# Altium PCB 0020-03_FFT2G.PcbDoc (part 9 of 16)
Units mm, origin at the board's own origin, x right, y up, seen from the top; angles counter-clockwise.
Board outline 195 x 104.5 mm, 12 copper layers (Top Layer, GND1, LVDS1, PWR1, LVDS2, PWR2, LVDS3, PWR3, SIG1, SIG2, GND2, Bottom Layer), stack 1.422 mm thick; 721 components, 650 nets, 4014 pads, 3497 vias.
Unrouted connection lines stored in the file: 78.
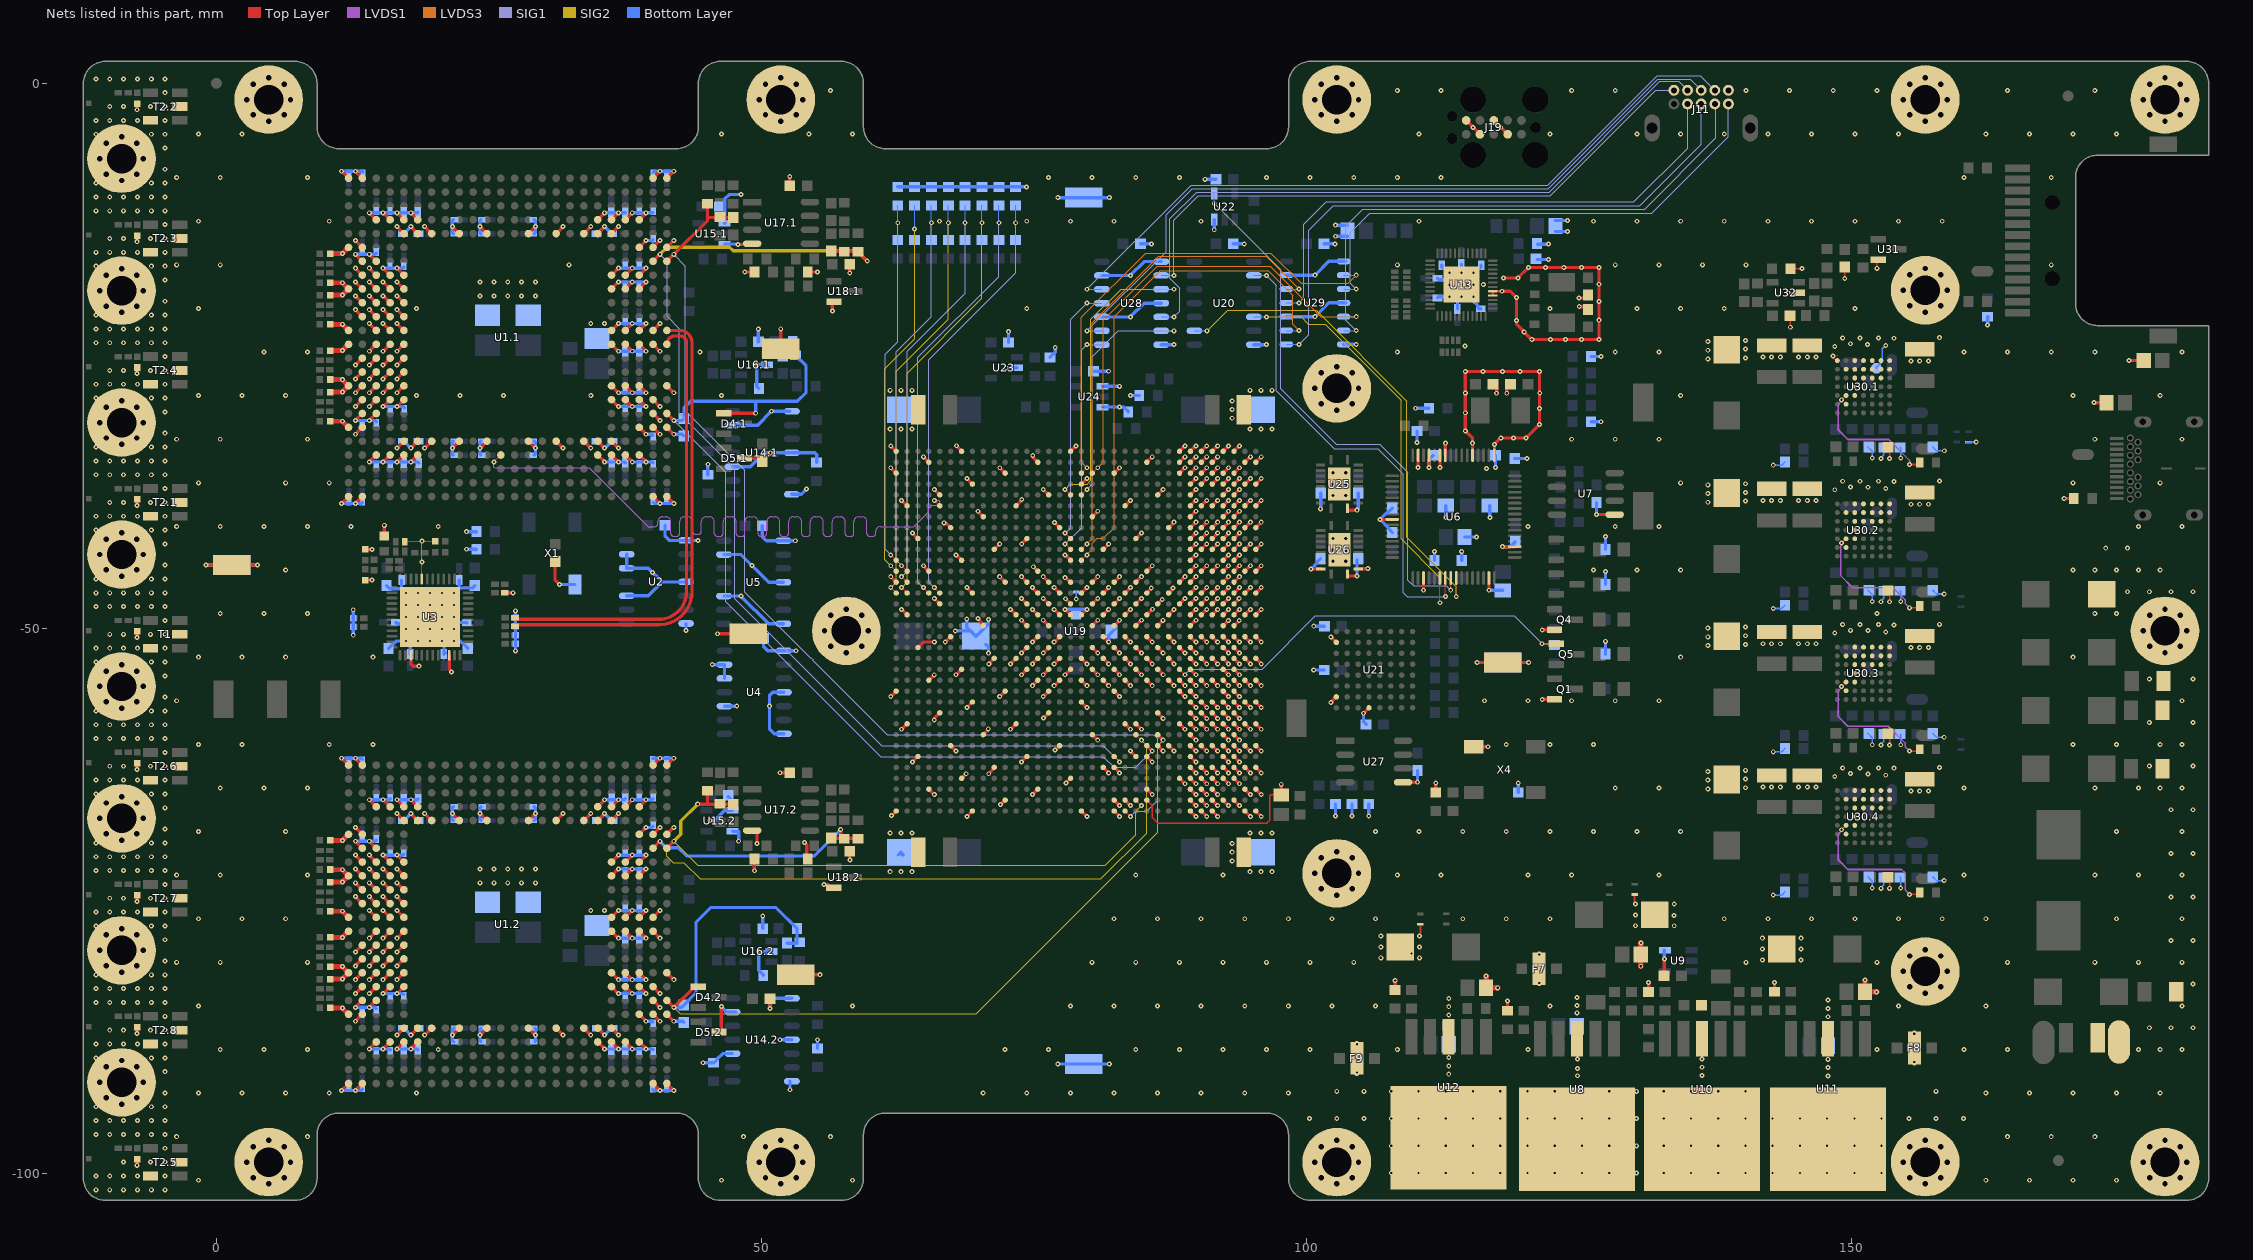
[diagram p19: the nets of this part, all layers, seen from the top]

## Via types
v1: diameter 0.45, hole 0.2, Top Layer to Bottom Layer, tented both sides, 3249 vias
v2: diameter 1, hole 0.5, Top Layer to Bottom Layer, tented both sides, 192 vias
v3: diameter 0.5, hole 0.2, Top Layer to Bottom Layer, tented both sides, 34 vias
v4: diameter 0.6, hole 0.3, Top Layer to Bottom Layer, tented both sides, 12 vias
v5: diameter 0.6, hole 0.2, Top Layer to Bottom Layer, tented both sides, 6 vias
v6: diameter 0.45/0.45/0.45/0.45/0.45/0.45/0.45 (per signal layer), hole 0.2, Top Layer to Bottom Layer, tented both sides, 4 vias

## Nets (pads, with @x,y where several pads share a name; then routed paths per layer and width w, separated by ;. In a path a pad name is that pad's centre, name@x,y a point inside that pad or via, vN(x,y) a via of type N, cw(c..) or ccw(c..) an arc to the next point about the centre after c; other vN are vias at no path point) (continued)
GND: (continued)
  Bottom Layer w0.3: v1(-0.948,-44.207) TP7.1@1.414,-44.207 v1(3.776,-44.207) ; v1(11.493,-92.418) v1(12.763,-92.418) 13.308,-92.418 C96.2.1@13.403,-92.322 ; v1(11.493,-61.938) v1(12.763,-61.938) 13.306,-61.938 C90.2.1@13.398,-62.03 ; v1(11.493,-38.562) v1(12.763,-38.562) 13.321,-38.562 C96.1.1@13.403,-38.479 ; v1(11.493,-8.082) v1(12.763,-8.082) 13.379,-8.082 C113.1.1@13.454,-8.156 ; v1(12.56,-50.648) R10.2@12.56,-49.855 R9.2@12.56,-49.11 v1(12.56,-48.317) ; v1(12.763,-84.798) v1(14.033,-84.798) 14.564,-84.798 C100.2.1@14.673,-84.906 ; v1(12.763,-69.558) v1(14.033,-69.558) 14.561,-69.558 C99.2.1@14.673,-69.446 ; v1(12.763,-30.942) v1(14.033,-30.942) 14.547,-30.942 C100.1.1@14.673,-31.067 ; v1(12.763,-15.702) v1(14.033,-15.702) 14.56,-15.702 C99.1.1@14.673,-15.589 ; v1(14.033,-88.608) v1(15.303,-88.608) 15.86,-88.608 C120.2.1@15.943,-88.691 ; v1(14.033,-65.748) v1(15.303,-65.748) 15.856,-65.748 C114.2.1@15.943,-65.661 ; v1(14.033,-34.752) v1(15.303,-34.752) C120.1.1@15.843,-34.752 ; v1(14.033,-11.892) v1(15.303,-11.892) v1(16.573,-11.892) v1(17.843,-11.892) 18.411,-11.892 C147.1.1@18.473,-11.83 ; v1(15.303,-83.528) v1(16.573,-83.528) 17.116,-83.528 C124.2.1@17.213,-83.625 ; v1(15.303,-70.828) v1(16.573,-70.828) 17.12,-70.828 C121.2.1@17.206,-70.741 ; v1(15.303,-29.672) v1(16.573,-29.672) 17.138,-29.672 C124.1.1@17.238,-29.772 ; v1(15.303,-16.972) v1(16.573,-16.972) 17.114,-16.972 C121.1.1@17.202,-16.884 ; C9.1@15.613,-46.099 15.889,-46.375 16.99,-46.375 ; C11.1@15.796,-51.887 15.796,-51.862 16.121,-51.537 16.146,-51.537 16.492,-51.191 v3(17.406,-51.191) 17.777,-51.562 C16.1@17.777,-52.387 C16.1@17.877,-52.487 ; C120.1.1@15.943,-34.852 C120.1.1@15.843,-34.752 ; C17.1@16.456,-49.473 16.579,-49.596 16.911,-49.596 v3(17.406,-50.091) ; v1(16.573,-88.608) v1(17.843,-88.608) 18.39,-88.608 C151.2.1@18.473,-88.691 ; v1(16.573,-65.748) v1(17.843,-65.748) 18.422,-65.748 C147.2.1@18.508,-65.661 ; C13.1@16.99,-45.595 16.99,-46.375 ; C154.1.1@17.119,-32.828 17.257,-32.828 17.419,-32.99 17.419,-33.058 v1(17.843,-33.482) 18.251,-33.073 18.251,-32.99 18.401,-32.84 C143.1.1@18.551,-32.84 ; C150.1.1@17.119,-13.803 17.269,-13.803 17.419,-13.653 17.419,-13.586 v1(17.843,-13.162) 18.251,-13.57 18.251,-13.653 18.401,-13.803 C140.1.1@18.551,-13.803 ; C154.2.1@17.123,-86.701 17.273,-86.701 17.423,-86.851 17.423,-86.918 v1(17.843,-87.338) 18.261,-86.919 18.261,-86.851 18.411,-86.701 C143.2.1@18.561,-86.701 ; C140.2.1@17.123,-67.651 17.273,-67.651 17.423,-67.501 17.423,-67.438 v1(17.843,-67.018) 18.263,-67.438 18.263,-67.501 18.413,-67.651 C150.2.1@18.563,-67.651 ; v3(17.406,-46.791) 16.99,-46.375 ; C151.1.1@18.561,-34.852 18.461,-34.752 v1(17.843,-34.752) v1(16.573,-34.752) C120.1.1@15.843,-34.752 ; v3(20.706,-51.191) 20.706,-51.245 20.876,-51.415 C15.1@20.876,-52.387 C15.1@20.999,-52.264 ; C136.2.1@21.723,-67.651 21.653,-67.581 v1(21.653,-67.018) 21.653,-66.451 C112.2.1@21.723,-66.381 ; C133.1.1@21.726,-34.123 21.653,-34.05 v1(21.653,-33.482) 21.653,-32.913 C109.1.1@21.726,-32.84 ; C136.1.1@21.752,-13.803 21.653,-13.704 v1(21.653,-13.162) 21.653,-12.617 C112.1.1@21.752,-12.518 ; C133.2.1@21.768,-87.971 21.653,-87.856 v1(21.653,-87.338) 21.653,-86.816 C109.2.1@21.768,-86.7 ; v3(21.806,-51.191) 22.394,-51.191 22.705,-51.502 22.73,-51.502 23.055,-51.827 C10.1@23.055,-51.852 ; v3(21.806,-48.991) 22.301,-49.486 22.958,-49.486 C14.1@22.976,-49.505 ; v3(21.806,-46.791) 22.273,-46.324 ; C18.1@22.273,-45.595 22.273,-46.324 ; v1(22.946,-42.759) R11.1@23.865,-42.759 R11.1@23.814,-42.81 ; v1(22.958,-41.15) R12.1@23.877,-41.15 ; C8.1@23.72,-46.095 23.491,-46.324 22.273,-46.324 ; C132.1.1@24.266,-34.123 24.193,-34.05 v1(24.193,-33.482) 24.193,-32.913 C108.1.1@24.266,-32.84 ; C135.1.1@24.266,-13.803 24.193,-13.73 v1(24.193,-13.162) 24.193,-12.591 C111.1.1@24.266,-12.518 ; C132.2.1@24.283,-87.971 24.193,-87.881 v1(24.193,-87.338) 24.193,-86.791 C108.2.1@24.283,-86.701 ; C135.2.1@24.283,-67.651 24.193,-67.561 v1(24.193,-67.018) 24.193,-66.471 C111.2.1@24.283,-66.381 ; v1(27.439,-52.081) 27.439,-51.451 R8.2@27.45,-51.441 R7.2@27.45,-50.641 R6.2@27.45,-49.841 R5.2@27.45,-49.041 v1(27.45,-48.411) ; C134.1.1@29.159,-13.803 29.273,-13.689 v1(29.273,-13.162) 29.273,-12.632 C110.1.1@29.159,-12.518 ; C134.2.1@29.168,-67.651 29.273,-67.545 v1(29.273,-67.018) 29.273,-66.487 C110.2.1@29.168,-66.381 ; C131.1.1@29.168,-34.123 29.273,-34.017 v1(29.273,-33.482) 29.273,-32.945 C107.1.1@29.168,-32.84 ; C131.2.1@29.233,-87.971 29.273,-87.931 v1(29.273,-87.338) 29.273,-86.741 C107.2.1@29.233,-86.701 ; v1(31.471,-45.994) X1.2@32.9,-45.994 ; C145.1.1@34.891,-32.84 35.041,-32.84 35.191,-32.99 35.191,-33.05 v1(35.623,-33.482) 36.043,-33.062 36.043,-32.99 36.193,-32.84 C152.1.1@36.343,-32.84 ; C142.1.1@34.891,-13.803 35.041,-13.803 35.191,-13.653 35.191,-13.593 v1(35.623,-13.162) 36.031,-13.57 36.031,-13.653 36.181,-13.803 C149.1.1@36.331,-13.803 ; C145.2.1@34.903,-86.701 35.053,-86.701 35.203,-86.851 35.203,-86.918 v1(35.623,-87.338) 36.043,-86.918 36.043,-86.851 36.193,-86.701 C152.2.1@36.343,-86.701 ; C142.2.1@34.903,-67.651 35.053,-67.651 35.203,-67.501 35.203,-67.438 v1(35.623,-67.018) 36.043,-67.438 36.043,-67.501 36.193,-67.651 C149.2.1@36.343,-67.651 ; v1(35.623,-88.608) v1(36.893,-88.608) v1(38.163,-88.608) v1(39.433,-88.608) 39.983,-88.608 C95.2.1@40.073,-88.697 ; v1(35.623,-65.748) v1(36.893,-65.748) 37.421,-65.748 C148.2.1@37.533,-65.636 ; v1(35.623,-34.752) v1(36.893,-34.752) 37.458,-34.752 C153.1.1@37.533,-34.826 ; v1(35.623,-11.892) v1(36.893,-11.892) 37.496,-11.892 C148.1.1@37.533,-11.855 ; v1(36.893,-83.528) v1(38.163,-83.528) v1(39.433,-83.528) ; v1(36.893,-82.258) v1(38.163,-82.258) v1(39.433,-82.258) ; v1(36.893,-78.448) v1(38.163,-78.448) v1(39.433,-78.448) ; v1(36.893,-75.908) v1(38.163,-75.908) v1(39.433,-75.908) ; v1(36.893,-72.098) v1(38.163,-72.098) v1(39.433,-72.098) ; v1(36.893,-70.828) v1(38.163,-70.828) v1(39.433,-70.828) ; v1(36.893,-29.672) v1(38.163,-29.672) v1(39.433,-29.672) ; v1(36.893,-28.402) v1(38.163,-28.402) v1(39.433,-28.402) ; v1(36.893,-24.592) v1(38.163,-24.592) v1(39.433,-24.592) ; v1(36.893,-22.052) v1(38.163,-22.052) v1(39.433,-22.052) ; v1(36.893,-18.242) v1(38.163,-18.242) v1(39.433,-18.242) ; v1(36.893,-16.972) v1(38.163,-16.972) v1(39.433,-16.972) ; U2.10@37.648,-47.034 39.623,-47.034 40.893,-45.764 ; U2.13@37.648,-43.224 U2.12@37.648,-44.494 39.623,-44.494 40.893,-45.764 ; v1(38.163,-65.748) v1(39.433,-65.748) 39.956,-65.748 C93.2.1@40.068,-65.636 ; v1(38.163,-34.752) v1(39.433,-34.752) 39.998,-34.752 C95.1.1@40.073,-34.826 ; v1(38.163,-11.892) v1(39.433,-11.892) 40.036,-11.892 C93.1.1@40.073,-11.855 ; v1(39.433,-86.068) 39.985,-86.068 C130.2.1@40.068,-86.15 ; v1(39.433,-68.288) 39.965,-68.288 C137.2.1@40.068,-68.184 ; v1(39.433,-32.212) 39.968,-32.212 40.068,-32.312 C130.1.1@39.979,-32.312 ; v1(39.433,-14.432) 40.006,-14.432 C137.1.1@40.068,-14.37 ; C94.2.1@40.048,-92.337 40.128,-92.418 v1(40.703,-92.418) v1(41.973,-92.418) ; C92.2.1@40.048,-61.97 40.08,-61.938 v1(40.703,-61.938) v1(41.973,-61.938) ; C92.1.1@40.068,-8.19 40.176,-8.082 v1(40.703,-8.082) v1(41.973,-8.082) ; C94.1.1@40.073,-38.474 40.16,-38.562 v1(40.703,-38.562) v1(41.973,-38.562) ; C21.1@41.173,-40.564 41.173,-41.561 41.566,-41.954 U2.1@42.998,-41.954 ; v1(41.973,-86.068) 42.782,-86.068 C3.2.1@42.898,-86.184 ; v1(41.973,-32.212) 42.739,-32.212 C3.1.1@42.898,-32.37 ; v1(43.098,-50.227) U2.7@43.098,-49.574 ; U2.4@43.098,-45.764 40.893,-45.764 ; U2.1@43.098,-41.954 v1(44.184,-41.954) ; v1(44.656,-89.88) R64.2.1@45.61,-89.88 45.66,-89.88 45.96,-89.58 45.96,-89.53 46.45,-89.04 U14.2.10@47.356,-89.04 ; R64.1.1@45.098,-35.932 v1(45.098,-34.964) ; v1(45.298,-67.664) 45.685,-67.664 46.629,-66.72 U15.2.1@47.365,-66.72 47.365,-65.87 C2.2.2@46.965,-65.47 ; v1(45.502,-53.349) U4.13@46.623,-53.349 U4.12@46.623,-54.619 ; v1(46.337,-84.72) 46.847,-85.23 U14.2.13@47.681,-85.23 ; U5.10@46.573,-47.059 v1(48.124,-47.059) 50.664,-49.599 U5.7@52.023,-49.599 U5.7@51.977,-49.645 ; U5.13@46.573,-43.249 48.139,-43.249 50.679,-45.789 U5.4@52.023,-45.789 ; U4.10@46.623,-57.159 v1(47.744,-57.159) ; U15.1.3@46.645,-14.764 47.848,-14.764 v1(47.873,-14.789) ; U15.1.1@46.645,-12.864 46.645,-10.617 47.048,-10.214 v1(48.123,-10.214) ; U14.1.10@47.356,-35.184 48.998,-35.184 50.268,-33.914 v1(50.848,-33.914) U14.1.4@52.631,-33.914 ; U14.1.13@47.356,-31.374 49.662,-31.374 v1(50.932,-30.104) U14.1.1@52.631,-30.104 ; U15.2.3@47.365,-68.62 47.414,-68.669 47.923,-68.669 v1(47.923,-69.553) ; v1(49.725,-22.546) 49.725,-23.707 C5.1.1@49.731,-23.714 ; R68.1.1@49.781,-28.014 49.592,-27.825 v1(49.592,-25.814) U16.1.2@50.531,-25.814 ; C36.1@50.089,-40.611 50.089,-41.599 50.469,-41.979 v1(53.122,-41.979) ; C5.2.1@50.131,-77.57 v1(50.131,-76.426) ; R68.2.1@50.181,-81.87 50.181,-81.82 49.773,-81.412 v1(49.773,-79.664) 49.779,-79.67 U16.2.2@50.931,-79.67 ; C28.1@50.272,-50.975 C28.1@50.21,-50.912 50.21,-51.702 50.586,-52.079 U4.1@52.073,-52.079 v1(53.179,-52.079) ; v1(50.792,-84.898) 50.792,-84.404 51.236,-83.96 U14.2.1@52.806,-83.96 ; v1(51.704,-87.77) U14.2.4@52.806,-87.77 ; U4.7@52.073,-59.699 51.171,-59.699 50.756,-59.284 v1(50.756,-57.161) 50.756,-56.166 51.033,-55.889 U4.4@52.073,-55.889 ; v1(52.631,-92.356) U14.2.7@52.631,-91.58 ; U14.1.7@52.806,-37.724 52.81,-37.72 53.688,-37.72 54.145,-37.263 v1(54.145,-37.247) ; U14.1.4@52.806,-33.914 54.904,-33.914 55.08,-34.089 R62.1.1@55.08,-34.81 ; R62.2.1@55.148,-88.569 v1(55.148,-87.768) ; R99.1@62.522,-9.509 R98.1@64.068,-9.509 R97.1@65.614,-9.509 R96.1@67.16,-9.509 R95.1@68.705,-9.509 R94.1@70.251,-9.509 R93.1@71.797,-9.509 R92.1@73.343,-9.509 v1(74.332,-9.509) ; C170.2@62.552,-70.816 62.797,-70.572 C170.2@62.934,-70.709 ; C170.2@62.934,-70.816 C170.2@62.934,-70.709 ; C170.2@63.041,-70.816 C170.2@62.934,-70.709 ; v1(67.8,-50.25) 69.2,-50.25 C173.2@69.7,-50.75 ; v1@68.85,-49.25 v1(68.85,-49.175) ; v1@68.851,-49.251 68.851,-49.926 C173.2@69.675,-50.75 ; C173.2@69.875,-50.549 C173.2@69.675,-50.75 ; C173.2@70.6,-51.5 70.85,-51.75 v1(70.85,-52.3) ; v1(70.85,-49.2) 70.85,-49.575 70.8,-49.625 70.8,-49.675 69.725,-50.75 C173.2@69.675,-50.75 ; v1(72.478,-26.114) U23.2@73.467,-26.114 ; C167.1@72.687,-23.785 v1(72.687,-22.798) ; R118.1@76.487,-25.166 76.969,-24.684 v1(76.969,-24.238) ; v1(77.208,-90) TP8.1@79.57,-90 v1(81.932,-90) ; v1(77.208,-10.5) TP9.1@79.57,-10.5 v1(81.932,-10.5) ; v1(77.875,-48.28) v1(79.875,-48.28) ; C168.2@80.475,-26.427 v1(81.875,-26.427) ; U28.10@81.247,-21.448 v1(83.875,-21.448) 85.145,-20.178 U28.4@86.697,-20.178 ; U28.13@81.247,-17.638 v1(83.875,-17.638) 85.145,-16.368 U28.1@86.697,-16.368 ; U24.3@81.299,-29.713 v1(82.875,-29.713) 82.904,-29.742 83.247,-29.742 83.324,-29.819 83.374,-29.819 83.674,-30.119 R113.1@83.674,-30.169 ; U24.1@81.299,-27.813 v1(82.875,-27.813) ; v1(81.875,-51.28) 81.875,-50.66 82.532,-50.003 82.532,-49.622 v1(82.875,-49.28) ; v1(83.875,-28.653) R117.1@84.681,-28.653 ; C181.2@84.798,-14.74 v1(85.801,-14.74) ; U28.7@86.697,-23.988 v1(87.856,-23.988) ; v1(90.704,-8.818) C163.2@91.708,-8.818 ; v1(91.558,-13.447) U22.3@91.558,-12.518 ; C161.2@93.307,-14.74 v1(94.31,-14.74) ; U20.7@95.194,-23.989 v1(96.352,-23.989) ; U29.10@98.18,-21.424 v1(100.808,-21.424) 102.078,-20.154 U29.4@103.63,-20.154 ; U29.13@98.18,-17.614 v1(100.808,-17.614) 102.078,-16.344 U29.1@103.63,-16.344 ; v1(100.446,-44.578) 100.987,-44.038 100.987,-43.944 C177.1@101.312,-43.619 ; v1(100.685,-53.837) C164.2@101.66,-53.837 ; v1(100.69,-49.823) C166.2@101.664,-49.822 ; v1(101.325,-39.051) C179.1@101.325,-37.594 ; C182.2@101.63,-14.74 v1(102.633,-14.74) ; v1(102.674,-14.041) C72.1@103.794,-14.041 ; v1(102.674,-13.025) C72.1@103.794,-13.025 ; v1(102.683,-67.245) R127.1@102.683,-66.151 ; U29.7@103.43,-23.964 v1(104.588,-23.964) ; v1(104.211,-67.245) R126.1@104.211,-66.151 ; v1(104.649,-39.177) 104.649,-39.137 104.764,-39.022 C176.2@104.764,-37.594 ; v1(104.659,-45.21) C178.2@104.659,-43.715 ; v1(105.26,-57.812) 105.26,-58.6 C165.2@105.499,-58.839 ; v1(105.738,-67.245) R125.1@105.738,-66.151 ; C37.2@107.89,-38.979 107.89,-39.004 107.565,-39.329 107.465,-39.329 v1(106.769,-40.025) 107.566,-40.823 107.566,-40.9 C38.2@107.891,-41.225 ; v1(110.042,-29.825) R25.1@111.275,-29.825 ; v1(110.173,-32.954) C42.2@110.173,-31.913 ; v1(110.207,-64.146) C180.1@110.207,-63.066 ; v1(111.266,-35.273) 111.266,-34.55 111.316,-34.5 111.316,-34.475 111.641,-34.15 C49.1@111.666,-34.15 ; C44.2@111.766,-43.8 v1(111.766,-42.973) ; C73.2@112.044,-19.709 112.167,-19.586 v3(113.146,-19.586) ; C75.2@112.044,-17.886 112.186,-18.028 112.688,-18.028 v3(113.146,-18.486) ; C78.2@112.446,-16.711 112.446,-16.861 112.596,-17.011 112.771,-17.011 v3(113.146,-17.386) v3@113.121,-17.386 ; v1(112.814,-39.863) C48.1@112.814,-38.744 ; C76.2@113.875,-20.713 113.875,-19.957 v3(114.246,-19.586) ; v3(114.246,-17.386) C80.2@114.246,-16.585 ; C39.2@114.266,-43.8 v1(114.266,-42.973) ; C41.1@114.514,-41.635 v1(115.634,-41.635) ; v3(115.346,-19.586) 115.346,-20.011 115.721,-20.386 115.721,-20.536 115.871,-20.686 C77.2@116.021,-20.686 ; v3(115.346,-17.386) 115.371,-17.386 115.746,-17.011 115.896,-17.011 116.046,-16.861 C79.2@116.046,-16.711 ; v1(115.689,-53.148) v1(120.413,-53.148) ; v1(116.766,-46.523) 118.006,-46.523 C45.1@118.026,-46.542 ; v1(116.853,-39.863) C46.1@116.853,-38.744 ; v1(117.366,-35.273) C47.1@117.366,-34.15 ; v1(118.019,-42.525) 118.688,-42.525 118.817,-42.396 118.842,-42.396 119.167,-42.071 C40.2@119.167,-42.046 ; C43.2@119.141,-34.425 v1(120.264,-34.425) ; C162.2@119.459,-65.087 v1(119.459,-64.197) ; C81.2@121.2,-16.175 v1(122.228,-16.175) ; R57.1@121.249,-14.765 v1(122.241,-14.765) ; C74.1@122.859,-13.608 v1(123.978,-13.608) ; C74.1@122.859,-12.592 v1(123.978,-12.592) ; R56.1@126.125,-31.065 v1(127.041,-31.065) ; R51.2@126.125,-25.084 v1(127.041,-25.084) ; v1(126.632,-39.584) C50.1@126.632,-38.479 ; R119.1@127.456,-52.389 v1(127.456,-51.211) ; R28.1@127.456,-45.994 v1(127.456,-44.816) ; R29.1@127.456,-42.775 v1(127.456,-41.598) ; v1(132.863,-80.374) U9.5@132.863,-79.568 ; v1(162.525,-22.2) 162.525,-21.431 162.528,-21.428 R3.1@162.525,-21.425
  other v1: -11.05,-101.538 -9.78,-101.538 -8.51,-101.538 -7.24,-101.538 -5.97,-101.538 -4.7,-101.538 -1.641,-100.665 46.359,-100.665 58.359,-100.665 162.359,-100.665 166.359,-100.665 170.359,-100.665 174.359,-100.665 -11.05,-100.268 -9.78,-100.268 -8.51,-100.268 -7.24,-100.268 -4.7,-100.268 107.8,-100 110.3,-100 112.8,-100 115.3,-100 117.8,-100 120.3,-100 122.8,-100 125.3,-100 127.8,-100 130.3,-100 132.8,-100 135.3,-100 137.8,-100 140.3,-100 142.8,-100 145.3,-100 147.8,-100 150.3,-100 152.8,-100 -8.51,-98.998 -6.034,-98.997 -4.7,-98.998 -4.7,-97.728 107.8,-97.5 110.3,-97.5 112.8,-97.5 115.3,-97.5 117.8,-97.5 120.3,-97.5 122.8,-97.5 125.3,-97.5 127.8,-97.5 130.3,-97.5 132.8,-97.5 135.3,-97.5 137.8,-97.5 140.3,-97.5 142.8,-97.5 145.3,-97.5 147.8,-97.5 150.3,-97.5 152.8,-97.5 -3.641,-96.665 8.359,-96.665 48.359,-96.665 56.359,-96.665 164.359,-96.665 168.359,-96.665 172.359,-96.665 -11.05,-96.458 -9.78,-96.458 -8.51,-96.458 -7.24,-96.458 -5.97,-96.458 -4.7,-96.458 -11.05,-95.188 -9.78,-95.188 -8.51,-95.188 -7.24,-95.188 -5.97,-95.188 -4.7,-95.188 100.3,-95 102.8,-95 105.3,-95 107.8,-95 110.3,-95 112.8,-95 115.3,-95 117.8,-95 120.3,-95 122.8,-95 125.3,-95 127.8,-95 130.3,-95 132.8,-95 135.3,-95 137.8,-95 140.3,-95 142.8,-95 145.3,-95 147.8,-95 150.3,-95 152.8,-95 155.3,-95 157.8,-95 160.3,-95 -11.05,-93.918 -5.97,-93.918 -4.7,-93.918 -4.7,-92.648 -1.641,-92.665 2.359,-92.665 6.359,-92.665 10.359,-92.665 18.359,-92.665 70.359,-92.665 74.359,-92.665 78.359,-92.665 82.359,-92.665 86.359,-92.665 90.359,-92.665 94.359,-92.665 98.359,-92.665 162.359,-92.665 166.359,-92.665 170.359,-92.665 174.359,-92.665 178.359,-92.665 102.8,-92.5 105.3,-92.5 107.8,-92.5 110.3,-92.5 112.8,-92.5 115.3,-92.5 117.8,-92.5 120.3,-92.5 122.8,-92.5 125.3,-92.5 127.8,-92.5 130.3,-92.5 132.8,-92.5 135.3,-92.5 137.8,-92.5 140.3,-92.5 157.8,-92.5 124.903,-91.074 147.864,-91.088 136.328,-91.052 113.075,-90.928 -4.7,-90.701 124.903,-90.412 147.864,-90.326 136.328,-90.29 113.075,-90.166 124.903,-89.55 147.864,-89.564 136.328,-89.528 -11.05,-89.431 -5.97,-89.431 -4.7,-89.431 113.075,-89.404 0.359,-88.665 4.359,-88.665 8.359,-88.665 20.359,-88.665 72.359,-88.665 76.359,-88.665 84.359,-88.665 88.359,-88.665 92.359,-88.665 96.359,-88.665 100.359,-88.665 108.359,-88.665 120.359,-88.665 152.359,-88.665 160.359,-88.665 164.359,-88.665 176.359,-88.665 178.359,-88.665 180.359,-88.665 -11.05,-88.161 -9.78,-88.161 -8.51,-88.161 -7.24,-88.161 -4.7,-88.161 -9.78,-86.891 -8.51,-86.891 -6.034,-86.89 -4.7,-86.891 177.359,-86.665 179.359,-86.665 181.359,-86.665 147.864,-85.655 -4.7,-85.621 113.075,-85.495 124.85,-85.296 147.864,-84.893 -1.641,-84.665 58.359,-84.665 78.359,-84.665 82.359,-84.665 86.359,-84.665 90.359,-84.665 94.359,-84.665 98.359,-84.665 102.359,-84.665 106.359,-84.665 122.359,-84.665 154.359,-84.665 162.359,-84.665 180.359,-84.665 124.85,-84.634 -11.05,-84.351 -9.78,-84.351 -8.51,-84.351 -7.24,-84.351 -5.97,-84.351 -4.7,-84.351 147.864,-84.131 124.85,-83.897 -11.05,-83.081 -9.78,-83.081 -8.51,-83.081 -7.24,-83.081 -5.97,-83.081 -4.7,-83.081 181.359,-82.665 -11.05,-81.811 -5.97,-81.811 -4.7,-81.811 -3.641,-80.665 0.359,-80.665 8.359,-80.665 80.359,-80.665 84.359,-80.665 88.359,-80.665 92.359,-80.665 96.359,-80.665 100.359,-80.665 104.359,-80.665 140.359,-80.665 152.359,-80.665 164.359,-80.665 172.359,-80.665 176.359,-80.665 180.359,-80.665 -4.7,-80.541 141.85,-80.45 145.406,-80.45 106.847,-80.25 110.402,-80.25 109.675,-79.846 141.85,-79.45 145.406,-79.45 106.847,-79.25 110.402,-79.25 179.359,-78.665 181.359,-78.665 -4.7,-78.594 141.85,-78.45 145.406,-78.45 106.847,-78.25 110.402,-78.25 -11.05,-77.324 -5.97,-77.324 -4.7,-77.324 130.211,-77.309 133.767,-77.309 -1.641,-76.665 2.359,-76.665 6.359,-76.665 82.359,-76.665 86.359,-76.665 90.359,-76.665 94.359,-76.665 98.359,-76.665 102.359,-76.665 106.359,-76.665 114.359,-76.665 118.359,-76.665 122.359,-76.665 138.359,-76.665 142.359,-76.665 146.359,-76.665 150.359,-76.665 154.359,-76.665 158.359,-76.665 162.359,-76.665 174.359,-76.665 180.359,-76.665 133.757,-76.374 130.211,-76.309 -11.05,-76.054 -9.78,-76.054 -8.51,-76.054 -7.24,-76.054 -4.7,-76.054 34.353,-75.908 35.623,-75.908 133.767,-75.309 -9.78,-74.784 -8.51,-74.784 -6.034,-74.783 -4.7,-74.784 179.359,-74.665 181.359,-74.665 -4.7,-73.514 24.193,-73.368 25.463,-73.368 26.733,-73.368 28.003,-73.368 29.273,-73.368 -3.641,-72.665 0.359,-72.665 8.359,-72.665 84.359,-72.665 92.359,-72.665 108.359,-72.665 112.359,-72.665 120.359,-72.665 124.359,-72.665 132.359,-72.665 160.359,-72.665 172.359,-72.665 176.359,-72.665 180.359,-72.665 61.826,-72.349 62.826,-72.349 63.826,-72.349 94.849,-72.349 95.849,-72.349 96.849,-72.349 -11.05,-72.244 -9.78,-72.244 -8.51,-72.244 -7.24,-72.244 -5.97,-72.244 -4.7,-72.244 24.193,-72.098 25.463,-72.098 26.733,-72.098 28.003,-72.098 29.273,-72.098 93.205,-71.359 -11.05,-70.974 -9.78,-70.974 -8.51,-70.974 -7.24,-70.974 -5.97,-70.974 -4.7,-70.974 179.359,-70.665 181.359,-70.665 93.205,-70.559 93.205,-69.759 -11.05,-69.704 -5.97,-69.704 -4.7,-69.704 61.826,-68.794 62.826,-68.794 63.826,-68.794 94.849,-68.794 95.849,-68.794 96.849,-68.794 -1.641,-68.665 6.359,-68.665 106.359,-68.665 110.359,-68.665 114.359,-68.665 118.359,-68.665 122.359,-68.665 126.359,-68.665 130.359,-68.665 134.359,-68.665 174.359,-68.665 180.359,-68.665 -4.7,-68.434 179.359,-66.665 181.359,-66.665 -4.7,-66.487 -11.05,-65.217 -5.97,-65.217 -4.7,-65.217 155.491,-64.935 156.291,-64.935 157.091,-64.935 136.85,-64.748 0.359,-64.665 4.359,-64.665 8.359,-64.665 128.359,-64.665 132.359,-64.665 160.359,-64.665 172.359,-64.665 176.359,-64.665 178.359,-64.665 180.359,-64.665 140.3,-64.648 141.902,-64.579 142.702,-64.579 143.502,-64.579 145.178,-64.579 145.978,-64.579 146.778,-64.579 -11.05,-63.947 -9.78,-63.947 -8.51,-63.947 -7.24,-63.947 -4.7,-63.947 136.85,-63.947 140.3,-63.847 148.5,-63.6 153.175,-63.5 68.798,-63.364 151.55,-63.375 149.95,-63.35 136.85,-63.147 140.3,-63.047 153.925,-62.85 149.225,-62.825 150.8,-62.825 152.5,-62.825 158.1,-62.797 -9.78,-62.677 -8.51,-62.677 -6.034,-62.676 -4.7,-62.677 177.359,-62.665 181.359,-62.665 -4.7,-61.407 -1.641,-60.665 2.359,-60.665 10.359,-60.665 14.359,-60.665 118.359,-60.665 122.359,-60.665 126.359,-60.665 170.359,-60.665 174.359,-60.665 178.359,-60.665 180.359,-60.665 -11.05,-60.137 -9.78,-60.137 -8.51,-60.137 -7.24,-60.137 -5.97,-60.137 -4.7,-60.137 70.823,-59.239 -11.05,-58.867 -9.78,-58.867 -8.51,-58.867 -7.24,-58.867 -5.97,-58.867 -4.7,-58.867 177.359,-58.665 181.359,-58.665 -11.05,-57.597 -5.97,-57.597 -4.7,-57.597 -3.641,-56.665 116.359,-56.665 120.359,-56.665 124.359,-56.665 128.359,-56.665 132.359,-56.665 180.359,-56.665 -4.7,-56.327 177.359,-54.665 181.359,-54.665 -4.7,-54.38 -11.05,-53.11 -5.97,-53.11 -4.7,-53.11 -1.641,-52.665 2.359,-52.665 6.359,-52.665 14.359,-52.665 134.359,-52.665 170.359,-52.665 -11.05,-51.84 -9.78,-51.84 -8.51,-51.84 -7.24,-51.84 -4.7,-51.84 155.491,-51.785 156.291,-51.785 157.091,-51.785 136.85,-51.598 140.3,-51.498 141.902,-51.43 142.702,-51.43 143.502,-51.43 145.178,-51.43 145.978,-51.43 146.778,-51.43 136.85,-50.798 140.3,-50.698 -9.78,-50.57 -8.51,-50.57 -6.034,-50.569 -4.7,-50.57 148.5,-50.451 153.175,-50.351 151.55,-50.226 149.95,-50.201 136.85,-49.998 140.3,-49.898 153.925,-49.701 149.225,-49.676 150.8,-49.676 152.5,-49.676 158.1,-49.648 -4.7,-49.3 69.879,-49.122 0.359,-48.665 4.359,-48.665 8.359,-48.665 152.359,-48.665 172.359,-48.665 174.359,-48.665 -11.05,-48.03 -9.78,-48.03 -8.51,-48.03 -7.24,-48.03 -5.97,-48.03 -4.7,-48.03 -11.05,-46.76 -9.78,-46.76 -8.51,-46.76 -7.24,-46.76 -5.97,-46.76 -4.7,-46.76 175.359,-46.665 177.359,-46.665 179.359,-46.665 181.359,-46.665 -11.05,-45.49 -5.97,-45.49 -4.7,-45.49 40.022,-44.893 6.359,-44.665 126.359,-44.665 130.359,-44.665 134.359,-44.665 170.359,-44.665 172.359,-44.665 174.359,-44.665 176.359,-44.665 178.359,-44.665 105.653,-44.541 49.141,-44.251 -4.7,-44.22 173.359,-42.665 175.359,-42.665 -4.7,-42.273 -11.05,-41.003 -5.97,-41.003 -4.7,-41.003 -3.641,-40.665 0.359,-40.665 4.359,-40.665 8.359,-40.665 12.359,-40.665 20.359,-40.665 120.359,-40.665 128.359,-40.665 132.359,-40.665 176.359,-40.665 180.359,-40.665 -11.05,-39.733 -9.78,-39.733 -8.51,-39.733 -7.24,-39.733 -4.7,-39.733 155.491,-38.636 156.291,-38.636 157.091,-38.636 -9.78,-38.463 -8.51,-38.463 -6.034,-38.463 -4.7,-38.463 136.85,-38.449 140.3,-38.349 141.902,-38.281 142.702,-38.281 143.502,-38.281 145.178,-38.281 145.978,-38.281 146.778,-38.281 136.85,-37.649 140.3,-37.549 148.5,-37.301 153.175,-37.201 -4.7,-37.193 151.55,-37.076 149.95,-37.051 136.85,-36.849 140.3,-36.749 -1.641,-36.665 6.359,-36.665 10.359,-36.665 134.359,-36.665 170.359,-36.665 178.359,-36.665 153.925,-36.551 149.225,-36.526 150.8,-36.526 152.5,-36.526 158.1,-36.499 -11.05,-35.923 -9.78,-35.923 -8.51,-35.923 -7.24,-35.923 -5.97,-35.923 -4.7,-35.923 116.55,-35.35 -11.05,-34.653 -9.78,-34.653 -8.51,-34.653 -7.24,-34.653 -5.97,-34.653 -4.7,-34.653 -11.05,-33.383 -5.97,-33.383 -4.7,-33.383 161.475,-32.933 -3.641,-32.665 0.359,-32.665 8.359,-32.665 124.359,-32.665 128.359,-32.665 132.359,-32.665 172.359,-32.665 180.359,-32.665 119.016,-32.55 -4.7,-32.113 61.826,-31.735 62.826,-31.735 63.826,-31.735 94.849,-31.735 95.849,-31.735 96.849,-31.735 93.205,-30.745 114.6,-30.233 -4.7,-30.165 93.205,-29.945 121.4,-29.835 93.205,-29.144 -11.05,-28.895 -5.97,-28.895 -4.7,-28.895 -1.641,-28.665 2.359,-28.665 6.359,-28.665 18.359,-28.665 22.359,-28.665 26.359,-28.665 34.359,-28.665 46.359,-28.665 134.359,-28.665 170.359,-28.665 178.359,-28.665 114.6,-28.431 121.425,-28.425 61.826,-28.18 62.826,-28.18 63.826,-28.18 95.849,-28.18 96.849,-28.18 -11.05,-27.625 -9.78,-27.625 -8.51,-27.625 -7.24,-27.625 -4.7,-27.625 116.236,-26.45 118,-26.45 119.621,-26.45 -9.78,-26.355 -8.51,-26.355 -6.034,-26.355 -4.7,-26.355 155.491,-25.487 156.291,-25.487 157.091,-25.487 136.85,-25.3 140.3,-25.2 141.902,-25.131 142.702,-25.131 143.502,-25.131 145.178,-25.131 145.978,-25.131 146.778,-25.131 -4.7,-25.085 4.359,-24.665 8.359,-24.665 44.359,-24.665 108.359,-24.665 128.359,-24.665 132.359,-24.665 160.359,-24.665 164.359,-24.665 168.359,-24.665 172.359,-24.665 180.359,-24.665 136.85,-24.5 140.3,-24.4 148.5,-24.152 114.583,-24.107 151.5,-23.977 149.95,-23.902 -11.05,-23.815 -9.78,-23.815 -8.51,-23.815 -7.24,-23.815 -5.97,-23.815 -4.7,-23.815 136.85,-23.7 140.3,-23.6 122.42,-23.525 123.787,-23.525 125.253,-23.525 153.925,-23.402 149.225,-23.377 150.8,-23.377 152.5,-23.377 158.1,-23.35 120,-22.825 -11.05,-22.545 -9.78,-22.545 -8.51,-22.545 -7.24,-22.545 -5.97,-22.545 -4.7,-22.545 34.353,-22.052 35.623,-22.052 119.3,-21.775 126.875,-21.742 -11.05,-21.275 -5.97,-21.275 -4.7,-21.275 -1.641,-20.665 18.359,-20.665 74.359,-20.665 122.359,-20.665 130.359,-20.665 134.359,-20.665 138.359,-20.665 150.359,-20.665 126.875,-20.037 -4.7,-20.005 24.193,-19.512 25.463,-19.512 26.733,-19.512 28.003,-19.512 29.273,-19.512 116.25,-18.475 126.875,-18.45 24.193,-18.242 25.463,-18.242 26.733,-18.242 28.003,-18.242 29.273,-18.242 -4.7,-18.058 121.95,-16.9 123.637,-16.9 125.262,-16.9 -11.05,-16.788 -5.97,-16.788 -4.7,-16.788 -3.641,-16.665 0.359,-16.665 32.359,-16.665 108.359,-16.665 128.359,-16.665 132.359,-16.665 136.359,-16.665 140.359,-16.665 168.359,-16.665 -11.05,-15.518 -9.78,-15.518 -8.51,-15.518 -7.24,-15.518 -4.7,-15.518 -9.78,-14.248 -8.51,-14.248 -6.034,-14.248 -4.7,-14.248 -4.7,-12.978 -1.641,-12.665 10.359,-12.665 66.359,-12.665 74.359,-12.665 78.359,-12.665 82.359,-12.665 90.359,-12.665 110.359,-12.665 126.359,-12.665 130.359,-12.665 134.359,-12.665 138.359,-12.665 142.359,-12.665 146.359,-12.665 150.359,-12.665 154.359,-12.665 158.359,-12.665 -11.05,-11.708 -9.78,-11.708 -8.51,-11.708 -7.24,-11.708 -5.97,-11.708 -4.7,-11.708 -11.05,-10.438 -9.78,-10.438 -8.51,-10.438 -7.24,-10.438 -5.97,-10.438 -4.7,-10.438 -11.05,-9.168 -5.97,-9.168 -4.7,-9.168 -3.641,-8.665 0.359,-8.665 8.359,-8.665 76.359,-8.665 80.359,-8.665 84.359,-8.665 88.359,-8.665 96.359,-8.665 100.359,-8.665 104.359,-8.665 108.359,-8.665 112.359,-8.665 160.359,-8.665 168.359,-8.665 -4.7,-7.898 -4.7,-5.95 -11.05,-4.68 -5.97,-4.68 -4.7,-4.68 -1.641,-4.665 2.359,-4.665 46.359,-4.665 54.359,-4.665 58.359,-4.665 110.359,-4.665 122.359,-4.665 130.359,-4.665 134.359,-4.665 138.359,-4.665 142.359,-4.665 146.359,-4.665 150.359,-4.665 154.359,-4.665 162.359,-4.665 166.359,-4.665 170.359,-4.665 174.359,-4.665 -11.05,-3.41 -9.78,-3.41 -8.51,-3.41 -7.24,-3.41 -4.7,-3.41 -9.78,-2.14 -8.51,-2.14 -6.034,-2.14 -4.7,-2.14 -4.7,-0.87 56.359,-0.665 108.359,-0.665 112.359,-0.665 124.359,-0.665 128.359,-0.665 140.359,-0.665 144.359,-0.665 148.359,-0.665 152.359,-0.665 164.359,-0.665 172.359,-0.665 -11.05,0.4 -9.78,0.4 -8.51,0.4 -7.24,0.4 -5.97,0.4 -4.7,0.4